# Allegro board WNS_FDM_2V1-1221P2.brd (continued)
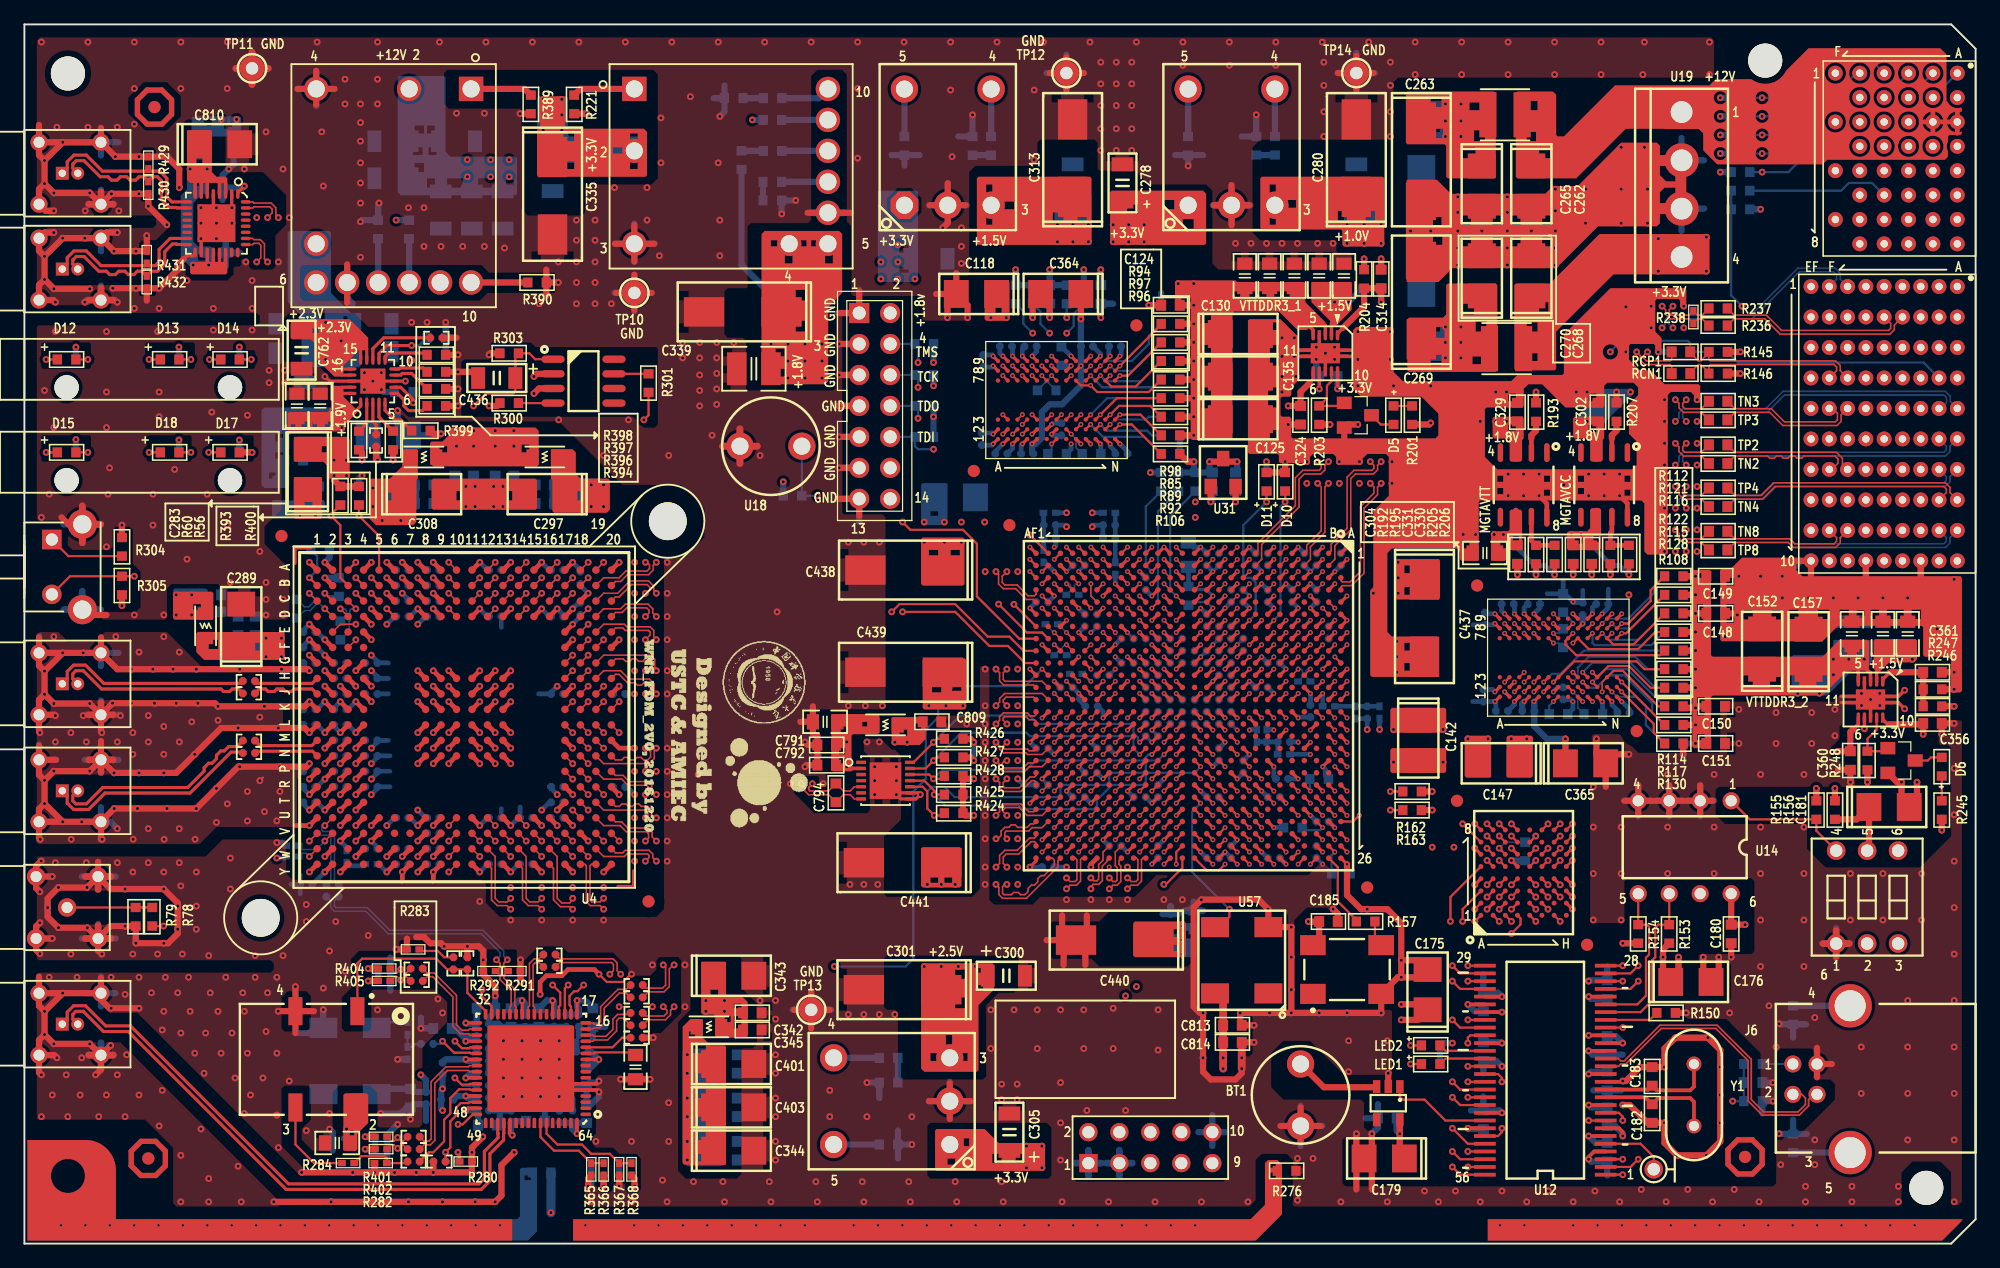
[diagram p0: board, top side]
## Routing (per net, layer and track width the routed paths; a pad name or vN(x,y) marks a point on that pad's centre or on a via; arc(x,y) is an arc through that point) (continued)
DDR3_2_DQ4: length 27.5
  TOP w0.178: U11.E3 v1(123.78,46.06) ; U15.A10 v1(107.45,48.12)
  ART10 w0.119: v1(123.78,46.06) 123.38,45.66 122.75,45.66 122.57,45.48 122.57,45.07 122.35,44.85 121.68,44.85 119.38,42.55 117.98,42.55 117.06,41.62 107.22,41.62 105.97,42.88 105.97,43.86 106.93,44.83 106.93,47.6 v1(107.45,48.12)
DDR3_2_DQ5: length 27.5
  TOP w0.178: U15.A12 v1(108.45,46.12) ; U11.E8 v1(123.78,50.86)
  ART10 w0.119: v1(108.45,46.12) 108.56,46.23 109.21,46.23 109.35,46.37 109.35,46.72 109.49,46.86 109.69,46.86 109.83,46.72 109.83,46.37 109.97,46.23 110.27,46.23 110.41,46.37 110.41,46.72 110.55,46.86 110.74,46.86 110.88,46.72 110.88,46.37 111.02,46.23 111.22,46.23 111.36,46.37 111.36,46.72 111.5,46.86 111.7,46.86 111.84,46.72 111.84,46.37 111.98,46.23 113.56,46.23 113.68,46.35 113.68,46.57 113.57,46.67 113.28,46.67 113.16,46.8 113.16,46.99 113.28,47.12 113.54,47.12 113.67,47.24 113.67,47.62 113.92,47.88 114.55,47.88 114.81,48.13 115.06,48.13 115.32,47.88 115.57,47.88 115.7,48.01 115.7,48.64 115.57,48.77 115.06,48.77 114.94,48.9 114.94,49.15 115.06,49.28 115.57,49.28 115.7,49.4 115.7,51.31 115.82,51.44 119.51,51.44 119.63,51.31 119.63,50.55 119.73,50.45 123.38,50.45 v1(123.78,50.86)
DDR3_2_DQ6: length 27.5
  TOP w0.178: U11.D2 v1(122.98,45.26) ; U15.B10 v1(106.45,47.12)
  ART10 w0.119: v1(122.98,45.26) 122.98,45.06 122.58,44.66 122.58,44.22 120.4,42.04 118.11,42.04 117.22,41.15 111.38,41.15 110.87,40.64 110.62,40.64 110.48,40.78 110.48,41.01 110.34,41.15 110.15,41.15 110.01,41.01 110.01,40.78 109.87,40.64 107.31,40.64 106.43,41.53 106.43,41.91 105.54,42.8 105.54,44.45 105.96,44.87 105.96,46.39 106.45,46.89 v1(106.45,47.12)
DDR3_2_DQ7: length 27.5
  TOP w0.178: U11.E7 v1(123.78,50.06) ; U15.B11 v1(107.45,47.12)
  ART10 w0.119: v1(123.78,50.06) 124.18,50.46 124.18,51.91 123.89,52.2 114.68,52.2 114.55,52.07 114.55,50.04 114.15,49.63 114.15,48.91 114.01,48.77 113.81,48.77 113.67,48.91 113.67,49.39 113.53,49.53 113.28,49.53 113.16,49.4 113.16,48.89 113.04,48.77 112.01,48.77 111.89,48.9 111.89,49.4 111.76,49.53 111.51,49.53 111.37,49.39 111.37,48.91 111.23,48.77 111.04,48.77 110.9,48.91 110.9,49.39 110.76,49.53 110.11,49.53 108.97,48.39 108.97,47.88 108.71,47.62 107.96,47.62 v1(107.45,47.12)
DDR3_2_DQSN: length 27.5
  TOP w0.102: U11.D3 v1(122.98,46.06)
  TOP w0.124: U15.A14 v1(108.45,43.12)
  ART10 w0.109: v1(108.45,43.12) 108.05,43.12 107.94,43.23 107.94,43.5 108.97,44.52 115.13,44.52 116.33,45.72 116.63,45.72 117.07,45.28 117.54,45.28 118.04,45.77 118.04,46.25 117.58,46.71 117.58,46.96 117.8,47.19 118.04,47.19 118.49,46.74 119.06,46.74 119.38,47.06 119.38,48.45 119.51,48.58 120.01,48.58 120.14,48.45 120.14,47.06 120.5,46.7 121.12,46.7 121.41,46.99 121.41,48.45 121.54,48.58 121.98,48.58 122.12,48.45 122.12,46.79 122.55,46.36 122.87,46.36 122.98,46.25 v1(122.98,46.06)
DDR3_2_DQSP: length 27.5
  TOP w0.124: U15.B14 v1(107.45,43.12)
  TOP w0.127: v1(122.98,46.86) 122.58,46.46 U11.C3
  ART10 w0.109: v1(122.98,46.86) 122.8,46.67 122.68,46.67 122.43,46.92 122.43,48.57 122.11,48.9 121.41,48.9 121.1,48.58 121.1,47.12 120.99,47.01 120.63,47.01 120.45,47.19 120.45,48.58 120.14,48.9 119.38,48.9 119.07,48.58 119.07,47.19 118.93,47.05 118.62,47.05 118.17,47.5 117.67,47.5 117.26,47.09 117.26,46.58 117.72,46.12 117.72,45.9 117.41,45.59 117.2,45.59 116.76,46.03 116.2,46.03 115,44.83 108.84,44.83 107.63,43.62 107.63,43.3 v1(107.45,43.12)
DDR3_2_ODT: length 39.2
  TOP w0.178: U15.F14 v1(103.45,43.12) ; v1(125.38,44.46) U11.G1
  ART08 w0.119: v1(103.45,43.12) 103.45,42.85 104.72,41.59 108.65,41.59 109.98,40.26 117.22,40.26 117.47,40.51 117.47,42.8 117.6,42.93 117.86,42.93 117.98,42.81 117.98,42.16 118.11,42.04 118.37,42.04 118.49,42.16 118.49,43.82 118.61,43.94 118.86,43.94 119,43.8 119,42.18 119.14,42.04 119.33,42.04 119.47,42.18 119.47,43.8 119.61,43.94 119.81,43.94 119.95,43.8 119.95,42.18 120.09,42.04 120.29,42.04 120.43,42.18 120.43,43.8 120.57,43.94 120.82,43.94 120.96,43.8 120.96,43.55 121.07,43.43 121.29,43.43 121.43,43.57 121.43,43.8 121.57,43.94 123.25,43.94 123.38,44.07 123.38,44.7 123.52,44.85 124.32,44.85 124.71,44.46 v1(125.38,44.46)
  BOTTOM w0.178: R125.2 125.03,44.11 v1(125.38,44.46)
DDR3_2_RASN: length 48.9
  TOP w0.178: U15.E10 v1(104.45,48.12) ; U11.F3 v1(124.58,46.06)
  ART03 w0.119: v1(124.58,46.06) 124.18,45.66 120.52,45.66 120.4,45.78 120.4,46.09 120.28,46.21 119.88,46.21 119.76,46.09 119.76,45.2 119.64,45.09 119.43,45.09 119.31,45.2 119.31,46.11 119.2,46.23 118.96,46.23 118.84,46.11 118.84,45.2 118.72,45.09 118.48,45.09 118.36,45.2 118.36,46.11 118.24,46.23 118,46.23 117.88,46.11 117.88,45.2 117.76,45.09 117.52,45.09 117.4,45.2 117.4,46.11 117.29,46.23 117.05,46.23 116.93,46.11 116.93,45.2 116.81,45.09 116.57,45.09 116.45,45.2 116.45,46.11 116.33,46.23 116.09,46.23 115.97,46.11 115.97,45.2 115.85,45.09 115.61,45.09 115.49,45.2 115.49,46.11 115.38,46.23 115.14,46.23 115.02,46.11 115.02,45.2 114.9,45.09 114.66,45.09 114.54,45.2 114.54,46.11 114.42,46.23 114.18,46.23 114.06,46.11 114.06,45.71 113.94,45.59 113.7,45.59 113.58,45.71 113.58,46.11 113.46,46.23 113.23,46.23 113.11,46.11 113.11,45.71 112.99,45.59 112.75,45.59 112.63,45.71 112.63,46.11 112.51,46.23 112.27,46.23 112.15,46.11 112.15,45.73 112.01,45.59 106.3,45.59 104.95,46.94 104.95,47.62 v1(104.45,48.12)
  BOTTOM w0.178: R127.2 127.89,48.64 125.98,46.74 125.26,46.74 v1(124.58,46.06)
DDR3_2_RESETN: length 43.7
  TOP w0.178: R130.2 133.6,41.91 133.6,42.63 v1(130.98,45.26) U11.N2 ; U15.C12 v1(106.45,46.12)
  ART03 w0.119: v1(130.98,45.26) 131.44,45.72 131.44,46.35 131.19,46.61 129.92,46.61 128.97,45.66 126.17,45.66 125.98,45.85 125.98,46.42 125.79,46.61 124.08,46.61 123.32,47.37 122.55,47.37 122.43,47.25 122.43,46.73 122.31,46.61 113.28,46.61 113.16,46.73 113.16,47.37 113.03,47.5 111.74,47.5 111.6,47.36 111.6,46.11 111.46,45.97 111.27,45.97 111.13,46.11 111.13,47.36 110.99,47.5 110.74,47.5 110.62,47.38 110.62,46.1 110.49,45.97 110.24,45.97 110.11,46.1 110.11,47.37 109.98,47.5 109.72,47.5 109.6,47.38 109.6,46.1 109.47,45.97 109.22,45.97 109.09,46.1 109.09,46.5 108.97,46.62 106.96,46.62 v1(106.45,46.12)
DDR3_2_WEN: length 47.1
  TOP w0.178: U15.F13 v1(103.45,45.12) ; v1(126.98,46.06) U11.H3
  ART10 w0.119: v1(126.98,46.06) 127.38,45.66 127.38,43.81 122.81,39.24 120.53,39.24 120.39,39.1 120.39,38.87 120.25,38.73 120.05,38.73 119.91,38.87 119.91,39.1 119.77,39.24 119.58,39.24 119.44,39.1 119.44,38.87 119.3,38.73 119.1,38.73 118.96,38.87 118.96,39.1 118.82,39.24 118.62,39.24 118.48,39.1 118.48,38.87 118.34,38.73 118.14,38.73 118,38.87 118,39.1 117.86,39.24 117.22,39.24 116.59,38.61 110.11,38.61 109.73,38.23 105.92,38.23 102.95,41.19 U15.F13 v1(103.45,45.12)
  BOTTOM w0.127: 127.38,46.99 127.38,46.46 v1(126.98,46.06)
  BOTTOM w0.178: 127.38,46.99 127.38,47.24 128.27,48.13 132.08,48.13 133.1,47.12 R129.2
DI_N0: length 72.7
  TOP w0.124: U15.AD18 v1(84.45,39.12) ; U4.C17 v2(44.96,53.34)
  ART03 w0.102: 84.1,38.78 84.12,38.78 84.18,38.72 84.86,38.72 84.98,38.84 84.98,39.04 84.9,39.12 v1(84.45,39.12)
  ART03 w0.109: 84.1,38.78 83.97,38.78 83.74,39.01 83.74,39.3 83.5,39.53 83.22,39.53 82.98,39.76 82.98,40.05 82.75,40.28 82.47,40.28 82.17,40.57 77.35,40.57 75.24,42.67 63.5,42.67 60.64,39.81 60.25,39.81 60.03,40.03 60.03,41.51 59.63,41.91 59.06,41.91 58.66,41.51 58.66,40.03 58.44,39.81 58.13,39.81 57.92,40.03 57.92,41.51 57.52,41.91 56.95,41.91 56.55,41.51 56.55,40.03 56.33,39.81 55.96,39.81 55.74,40.03 55.74,40.7 55.34,41.1 54.78,41.1 54.37,40.7 54.37,40.03 54.16,39.81 47.37,39.81 47.02,40.16 43.91,40.16 43.18,40.89 43.18,49.78 44.48,51.08 44.48,53.59 44.7,53.82 45.54,53.82 45.65,53.71 45.65,53.11 45.54,53 45.3,53 v2(44.96,53.34)
DI_N1: length 72.5
  TOP w0.124: U4.B20 48.47,54.31 48.89,54.31 49.45,54.86 51.18,54.86 51.56,55.25 51.56,55.62 v2(51.82,55.88) ; U15.V17 v1(90.45,40.12)
  ART08 w0.102: v1(90.45,40.12) 90.72,40.39 90.83,40.39 91.05,40.61 91.05,44.58 89.91,45.72 84.2,45.72 83.05,46.87 83.05,47.41 82.72,47.75 82.72,47.82 82.7,47.84
  ART08 w0.109: v2(51.82,55.88) 51.62,55.68 51.62,55.18 51.25,54.81 49.84,54.81 49.25,55.4 49.25,56.23 48.2,57.27 48.2,61.66 50.35,63.81 56.58,63.81 69.22,51.18 75.06,51.18 77.98,48.26 82.28,48.26 82.7,47.84
DI_N2: length 72.4
  TOP w0.124: U15.AB15 v1(86.45,42.12) ; U4.C20 48.47,53.04 48.77,53.04 49.78,54.05 51.06,54.05 51.3,53.81 51.3,53.59 51.05,53.34 v2(50.93,53.34)
  ART10 w0.102: v1(86.45,42.12) 86.45,42.57 86.55,42.67 86.83,42.67 87.05,42.89 87.05,43.66 86.05,44.66 86.05,45.39 85.72,45.72 84.2,45.72 83.05,46.87 83.05,47.5 82.6,47.96 82.15,47.96 82.09,48.01 82.07,48.01
  ART10 w0.109: v2(50.93,53.34) 51.05,53.34 51.31,53.59 51.31,54.54 51.69,54.92 52.76,54.92 54.61,56.77 55.12,56.77 55.57,56.32 56,56.32 56.2,56.52 56.2,56.77 55.69,57.27 55.69,57.91 56.08,58.29 56.08,59.4 56.37,59.69 57.15,59.69 57.47,59.37 57.47,56.54 57.69,56.32 62.35,56.32 62.55,56.52 62.55,56.89 62.35,57.09 58.61,57.09 58.22,57.48 58.22,59.29 58.62,59.69 59.18,59.69 59.56,59.31 59.56,58.48 59.69,58.35 59.82,58.35 60.24,58.35 60.35,58.46 60.35,58.82 60.64,59.11 61.74,59.11 62.03,58.82 62.03,58.46 62.14,58.35 63.06,58.35 66.29,55.12 69.98,55.12 73.86,51.24 74.93,51.24 78.16,48.01 82.07,48.01
DI_N3: length 72.6
  TOP w0.124: U4.E18 v2(46.23,50.8) ; U15.W19 v1(89.45,38.12)
  ART08 w0.102: v1(89.45,38.12) 89.45,38.51 89.35,38.61 89.07,38.61 88.85,38.83 88.85,43.33 88.8,43.38 88.8,43.48
  ART08 w0.109: v2(46.23,50.8) 46.23,51.2 46.34,51.31 46.82,51.31 47.12,51.6 47.12,52.96 48.01,53.85 48.39,53.85 49.15,53.09 49.15,52.83 49.78,52.2 53.02,52.2 53.65,52.83 53.65,54.29 54.48,55.12 54.48,57.28 55.5,58.29 56.01,58.29 56.52,57.78 57.08,57.78 57.46,58.16 57.46,58.74 55.69,60.51 54.99,60.51 54.86,60.64 54.86,61.09 54.99,61.21 56.07,61.21 68.96,48.33 74.73,48.33 77.6,45.47 81.98,45.47 83.78,43.67 88.69,43.67 88.8,43.56 88.8,43.48
DI_N4: length 72.7
  TOP w0.124: v2(50.93,51.44) 51.22,51.73 51.22,51.94 51.02,52.15 49.4,52.15 49.02,51.77 48.47,51.77 U4.D20 ; U15.W14 v1(89.45,43.12)
  ART03 w0.102: 84.1,45.46 84.12,45.46 84.18,45.52 85.67,45.52 85.85,45.34 85.85,44.29 86.2,43.94 86.6,43.94 86.81,43.74 87.13,43.74 87.34,43.94 87.67,43.94 87.87,43.74 88.2,43.74 88.4,43.94 88.73,43.94 88.93,43.74 89.26,43.74 89.46,43.94 89.79,43.94 89.98,43.75 89.98,43.22 89.88,43.12 v1(89.45,43.12)
  ART03 w0.109: 84.1,45.46 82.95,45.46 82.29,46.13 81.96,46.13 81.76,45.92 81.43,45.92 81.22,46.13 80.9,46.13 80.69,45.92 80.37,45.92 80.16,46.13 79.83,46.13 79.63,45.92 79.3,45.92 79.1,46.13 78.77,46.13 78.57,45.92 78.24,45.92 78.04,46.13 77.38,46.13 74.26,49.25 73.36,49.25 73.14,49.03 73.14,48.41 72.74,48.01 72.17,48.01 71.77,48.41 71.77,49.03 71.55,49.25 71.24,49.25 71.02,49.03 71.02,48.41 70.62,48.01 70.06,48.01 69.66,48.41 69.66,49.03 69.44,49.25 69.13,49.25 68.91,49.03 68.91,48.41 68.51,48.01 67.94,48.01 67.54,48.41 67.54,49.03 67.32,49.25 67.02,49.25 66.8,49.03 66.8,48.41 66.4,48.01 65.83,48.01 65.43,48.41 65.43,49.03 65.21,49.25 64.9,49.25 64.68,49.03 64.68,48.41 64.28,48.01 63.72,48.01 63.32,48.41 63.32,49.03 63.1,49.25 62.79,49.25 62.57,49.03 62.57,48.41 62.17,48.01 61.6,48.01 61.2,48.41 61.2,49.03 60.98,49.25 60.68,49.25 60.46,49.03 60.46,48.41 60.06,48.01 59.49,48.01 59.09,48.41 59.09,50.56 58.87,50.77 58.56,50.77 58.35,50.56 58.35,48.41 57.94,48.01 57.38,48.01 56.98,48.41 56.98,50.56 56.76,50.77 56.45,50.77 56.23,50.56 56.23,48.41 55.83,48.01 55.26,48.01 54.86,48.41 54.86,49.98 54.61,50.23 51.75,50.23 51.31,50.67 51.31,51.05 v2(50.93,51.44)
DI_N5: length 72.7
  TOP w0.124: U15.AE15 v1(83.45,42.12) ; U4.E20 48.47,50.5 49.07,50.5 49.28,50.29 51.18,50.29 51.31,50.17 51.31,49.91 v2(50.93,49.53)
  ART10 w0.102: v1(83.45,42.12) 83.9,42.12 84,42.22 84,42.42 83.9,42.52 83.16,42.52 83.11,42.46 83.08,42.46
  ART10 w0.109: 83.08,42.46 82.76,42.46 82.24,42.98 82.24,44.19 81.72,44.71 77.28,44.71 73.73,48.26 70.49,48.26 68.39,50.35 68.39,51.9 68.29,52.01 67.9,52.01 67.79,51.9 67.79,50.52 67.44,50.16 64.96,50.16 64.67,50.46 64.67,51.07 64.96,51.37 66.23,51.37 66.42,51.56 66.42,51.88 66.29,52.01 63.28,52.01 62.87,52.43 62.87,52.96 62.74,53.09 62.36,53.09 61.72,52.45 61.13,52.45 60.83,52.74 60.83,53.09 60.64,53.28 60.2,53.28 59.98,53.06 59.98,50.69 59.58,50.29 59.01,50.29 58.61,50.69 58.61,53.06 58.39,53.28 58.08,53.28 57.86,53.06 57.86,49.04 57.46,48.64 56.9,48.64 56.5,49.04 56.5,49.88 56.29,50.08 56.29,50.41 56.5,50.61 56.5,50.94 56.29,51.14 56.29,51.47 56.5,51.67 56.5,52 56.29,52.21 56.29,52.53 56.5,52.74 56.5,53.06 56.28,53.28 55.63,53.28 55.43,53.08 55.43,52.2 55.63,52 55.63,51.67 55.43,51.47 55.43,51.14 55.63,50.94 55.63,50.61 55.43,50.41 55.43,50.08 55.63,49.88 55.63,49.55 55.43,49.35 55.43,49.02 55.05,48.64 54.61,48.64 54.1,49.15 53.72,49.15 53.22,48.64 52.66,48.64 52.46,48.44 52.13,48.44 51.93,48.64 51.6,48.64 51.31,48.93 51.31,49.29 51.07,49.53 v2(50.93,49.53)
DI_N6: length 72.4
  TOP w0.124: 46.86,48.9 v2(47.5,49.53) ; U15.Y18 v1(88.45,39.12)
  ART08 w0.102: 82.67,43.41 82.67,43.38 82.73,43.33 82.73,42.84 83.05,42.52 84.7,42.52 84.85,42.37 84.85,40.75 85.08,40.52 87.66,40.52 87.85,40.32 87.85,39.84 88.07,39.62 88.35,39.62 88.45,39.52 v1(88.45,39.12)
  ART08 w0.109: v2(47.5,49.53) 46.93,49.53 46.82,49.64 46.82,50.06 46.93,50.16 47.59,50.16 47.88,50.46 47.88,52.45 48.06,52.63 48.27,52.63 48.46,52.45 48.46,50.54 48.89,50.11 49.48,50.11 49.99,50.61 50.26,50.61 50.77,50.11 51.44,50.11 51.88,50.55 52.2,50.55 52.64,50.11 53.22,50.11 53.72,50.61 53.72,51.69 54.48,52.45 54.48,53.91 55.58,55.01 59.07,55.01 59.44,55.37 59.44,55.88 59.05,56.26 55.5,56.26 55.37,56.39 55.37,56.77 55.5,56.9 57.4,56.9 58.11,57.6 58.42,57.6 68.58,47.44 74.35,47.44 77.09,44.7 81.73,44.7 82.67,43.76 82.67,43.41
DI_N7: length 72.6
  TOP w0.124: U15.AA18 v1(87.45,39.12) ; U4.G18 v2(46.23,48.26)
  ART08 w0.102: 82.8,41.5 82.8,41.48 82.85,41.42 82.85,40.34 83.67,39.52 86.89,39.52 87,39.62 87.35,39.62 87.45,39.52 v1(87.45,39.12)
  ART08 w0.109: v2(46.23,48.26) 45.66,48.26 45.55,48.37 45.55,48.63 45.66,48.74 46.64,48.74 46.86,48.51 46.86,47.88 47.24,47.5 47.82,47.5 48.22,47.9 48.22,48.41 48.39,48.58 48.77,48.58 48.96,48.39 48.96,48.01 49.34,47.62 49.97,47.62 50.35,48 50.35,48.47 50.46,48.58 50.92,48.58 51.07,48.43 51.07,48.15 51.47,47.75 52.2,47.75 54.61,50.16 54.61,51.31 54.81,51.5 60.58,51.5 60.96,51.88 60.96,52.41 60.56,52.81 55.58,52.81 55.37,53.02 55.37,53.59 55.88,54.1 56.27,54.1 56.49,53.88 56.49,53.74 56.89,53.34 57.46,53.34 57.86,53.74 57.86,53.88 58.08,54.1 58.39,54.1 58.61,53.88 58.61,53.74 59.01,53.34 59.57,53.34 59.98,53.74 59.98,53.88 60.19,54.1 60.58,54.1 68.13,46.55 73.91,46.55 76.11,44.35 76.11,43.65 76.55,43.21 81.69,43.21 82.04,42.87 82.04,42.36 82.8,41.6 82.8,41.5
DI_N8: length 72.5
  TOP w0.124: U15.AF15 82.95,42.84 82.83,42.97 82.38,42.97 82.13,43.22 80.39,43.22 80.27,43.09 80.27,42.92 v2(80.56,42.62) ; U4.G20 48.47,47.96 49.11,47.96 49.31,47.76 49.64,47.76 49.84,47.96 50.17,47.96 50.37,47.76 50.7,47.76 50.9,47.96 51.23,47.96 51.39,47.8 51.39,47.32 51.05,46.99 v2(50.93,46.99)
  ART10 w0.109: v2(80.56,42.62) 80.44,42.62 80.14,42.93 80.14,43.2 79.84,43.49 76.65,43.49 76.42,43.72 76.42,44.48 76.19,44.71 76.19,45 75.96,45.23 75.67,45.23 75.44,45.46 75.44,45.75 75.21,45.98 74.92,45.98 74.69,46.21 74.69,46.5 74.46,46.73 74.17,46.73 73.15,47.75 72.52,47.75 72.14,47.37 72.14,46.86 72.59,46.41 72.59,46.14 72.48,46.03 71.7,46.03 71.51,46.22 71.51,47.43 71.12,47.81 69.92,47.81 68.2,49.53 64.29,49.53 64.07,49.75 64.07,51.14 63.78,51.44 63,51.44 62.7,51.14 62.7,49.75 62.49,49.53 62.1,49.53 61.89,49.75 61.89,50.95 61.53,51.31 60.83,51.31 60.52,50.99 60.52,49.75 60.3,49.53 58.8,49.53 58.49,49.22 58.49,48.64 58.8,48.33 67.69,48.33 67.86,48.16 67.86,47.92 67.69,47.75 58.35,47.75 58.17,47.94 51.6,47.94 51.31,47.65 51.31,47.24 51.05,46.99 v2(50.93,46.99)
DI_N9: length 72.5
  TOP w0.124: U15.AF17 82.76,40.42 82.39,40.42 82.25,40.56 80.39,40.56 80.27,40.69 80.27,40.82 v2(80.56,41.12) ; U4.H18 v2(46.23,46.99)
  ART08 w0.109: v2(80.56,41.12) 80.42,41.12 80.2,41.34 80.2,41.6 79.81,41.99 76.76,41.99 75.69,43.05 74.23,43.05 73.53,43.75 73.53,45.59 73.15,45.97 72.58,45.97 72.2,45.6 72.2,44.58 72.01,44.38 71.7,44.38 71.5,44.58 71.5,45.59 71.12,45.97 70.49,45.97 70.09,45.58 70.09,45.36 69.88,45.14 69.57,45.14 69.35,45.36 69.35,45.57 68.95,45.97 67.37,45.97 62.49,50.86 55.81,50.86 55.44,50.49 55.44,49.97 55.81,49.6 61.91,49.6 62.08,49.42 62.08,49.13 61.91,48.95 55.94,48.95 55.57,48.58 55.57,47.41 55.46,47.3 55.1,47.3 54.99,47.41 54.99,48.45 54.54,48.9 54.04,48.9 53.15,48.01 53.15,47.37 54.48,46.04 54.48,45.78 54.23,45.52 53.66,45.52 53.03,46.16 52.1,46.16 51.9,46.36 51.57,46.36 51.37,46.16 51.04,46.16 50.84,46.36 50.51,46.36 50.31,46.16 49.98,46.16 49.34,46.79 49.02,46.79 48.81,47 48.49,47 48.28,46.79 47.96,46.79 47.75,47 47.42,47 47.22,46.79 46.86,46.79 46.58,46.51 45.66,46.51 45.55,46.62 45.55,47.13 45.66,47.24 45.97,47.24 v2(46.23,46.99)
DI_N10: length 73
  TOP w0.124: U15.AA20 v1(87.45,37.12) ; v2(50.93,45.09) 51.05,45.09 51.33,45.36 51.33,45.8 51.13,46 50.8,46 50.6,45.8 50.27,45.8 50.07,46 49.45,46 48.76,46.69 48.47,46.69 U4.H20
  ART10 w0.102: v1(87.45,37.12) 87.67,37.12 87.76,37.21 87.76,37.59 87.68,37.67 87.07,37.67 86.85,37.89 86.85,38.34 86.67,38.52 84.18,38.52 84.12,38.46 84.1,38.46
  ART10 w0.109: v2(50.93,45.09) 51.05,45.09 51.31,44.83 51.31,44.49 51.6,44.2 53.27,44.2 53.78,44.7 53.78,45.46 53.98,45.66 54.29,45.66 54.51,45.44 54.51,44.6 54.91,44.2 55.48,44.2 55.88,44.6 55.88,45.44 56.09,45.66 56.4,45.66 56.62,45.44 56.62,44.6 57.02,44.2 57.59,44.2 57.99,44.6 57.99,45.44 58.21,45.66 58.52,45.66 58.73,45.44 58.73,43.45 59.14,43.05 59.7,43.05 60.1,43.45 60.1,45.44 60.32,45.66 60.63,45.66 60.85,45.44 60.85,43.45 61.25,43.05 61.82,43.05 62.22,43.45 62.22,45.44 62.43,45.66 62.74,45.66 62.96,45.44 62.96,43.45 63.36,43.05 63.93,43.05 64.33,43.45 64.33,45.44 64.55,45.66 64.86,45.66 65.08,45.44 65.08,44.47 65.48,44.07 66.05,44.07 66.45,44.47 66.45,45.44 66.67,45.66 67.02,45.66 67.24,45.44 67.24,45.1 67.64,44.7 68.21,44.7 68.61,45.1 68.61,45.44 68.83,45.66 69.09,45.66 69.51,45.24 69.51,43.29 69.8,42.99 71.19,42.99 71.56,43.37 71.56,43.75 71.73,43.92 72.16,43.92 72.33,43.75 72.33,43.29 72.62,42.99 73.78,42.99 75.53,41.24 76.57,40.21 83.3,40.21 83.51,40 83.51,38.76 83.8,38.46 84.1,38.46
DI_N11: length 72.6
  TOP w0.124: U4.J19 v2(47.5,45.72) ; U15.AF18 82.76,39.42 82.3,39.42 81.89,39.01 80.32,39.01 80.2,39.14 80.2,39.43 80.39,39.62 v2(80.56,39.62)
  ART08 w0.109: v2(80.56,39.62) 80.33,39.62 80.2,39.75 80.2,40.2 79.84,40.55 76.67,40.55 75.18,42.04 73.91,42.04 72.64,43.31 68.53,43.31 68.42,43.42 68.42,44.54 67.95,45.02 67,45.02 64.01,48.01 56.77,48.01 56.47,47.7 56.47,47.1 56.84,46.74 63.5,46.74 64.2,46.03 64.2,44.83 63.88,44.51 63.7,44.51 63.49,44.73 63.49,45.7 63.09,46.1 62.52,46.1 62.12,45.7 62.12,44.73 61.9,44.51 61.59,44.51 61.37,44.73 61.37,45.7 60.97,46.1 60.4,46.1 60,45.7 60,44.73 59.79,44.51 59.47,44.51 59.26,44.73 59.26,45.7 58.85,46.1 58.29,46.1 57.89,45.7 57.89,44.73 57.67,44.51 57.35,44.51 57.15,44.7 57.15,45.65 56.79,46.01 56.24,46.01 55.88,45.65 55.88,44.64 55.75,44.51 54.72,44.51 54.52,44.71 54.19,44.71 53.99,44.51 53.66,44.51 53.46,44.71 53.13,44.71 52.93,44.51 49.85,44.51 49.12,45.24 46.9,45.24 46.79,45.35 46.79,45.77 46.96,45.94 47.28,45.94 v2(47.5,45.72)
DI_P0: length 72.7
  TOP w0.124: U4.B18 v2(46.23,54.61) ; U15.AC18 v1(85.45,39.12)
  ART03 w0.102: 84.1,38.46 84.12,38.46 84.18,38.52 84.95,38.52 85.18,38.75 85.18,39.02 85.28,39.12 v1(85.45,39.12)
  ART03 w0.109: v2(46.23,54.61) 45.75,54.13 44.57,54.13 44.17,53.72 44.17,51.21 42.87,49.91 42.87,40.76 43.78,39.85 46.89,39.85 47.24,39.5 54.29,39.5 54.69,39.9 54.69,40.57 54.9,40.78 55.21,40.78 55.43,40.57 55.43,39.9 55.83,39.5 56.46,39.5 56.86,39.9 56.86,41.38 57.08,41.6 57.39,41.6 57.6,41.38 57.6,39.9 58.01,39.5 58.57,39.5 58.97,39.9 58.97,41.38 59.19,41.6 59.5,41.6 59.72,41.38 59.72,39.9 60.12,39.5 60.76,39.5 63.63,42.36 75.12,42.36 77.22,40.26 82.04,40.26 83.84,38.46 84.1,38.46
DI_P1: length 72.6
  TOP w0.124: U4.B19 47.5,54.61 48.77,54.61 49.32,55.17 51.06,55.17 51.26,55.37 51.26,55.67 51.05,55.88 v2(50.93,55.88) ; U15.V16 v1(90.45,41.12)
  ART08 w0.102: v1(90.45,41.12) 90.45,40.69 90.55,40.59 90.75,40.59 90.85,40.69 90.85,44.5 89.83,45.52 84.12,45.52 82.85,46.78 82.85,47.32 82.57,47.6 82.49,47.6 82.48,47.62
  ART08 w0.109: 82.48,47.62 82.15,47.95 77.85,47.95 74.93,50.87 69.09,50.87 56.45,63.5 50.48,63.5 49.26,62.28 49.26,62 49.03,61.77 48.75,61.77 48.51,61.53 48.51,60.59 48.72,60.39 48.72,60.06 48.51,59.86 48.51,59.53 48.72,59.32 48.72,59 48.51,58.79 48.51,58.47 48.72,58.26 48.72,57.93 48.51,57.73 48.51,57.4 48.81,57.11 49.1,57.11 49.33,56.88 49.33,56.59 49.56,56.36 49.56,55.53 49.97,55.12 51.12,55.12 51.31,55.31 51.31,55.68 51.1,55.88 v2(50.93,55.88)
DI_P2: length 72.5
  TOP w0.124: U15.AB14 v1(86.45,43.12) ; v2(51.82,53.34) 51.6,53.56 51.6,53.93 51.18,54.36 49.66,54.36 48.64,53.34 47.5,53.34 U4.C19
  ART10 w0.102: 82.07,47.7 82.09,47.7 82.15,47.75 82.52,47.75 82.85,47.42 82.85,46.78 84.12,45.52 85.64,45.52 85.85,45.31 85.85,44.58 86.85,43.58 86.85,42.98 86.75,42.88 86.55,42.88 86.45,42.98 v1(86.45,43.12)
  ART10 w0.109: 82.07,47.7 78.03,47.7 74.8,50.93 73.73,50.93 69.85,54.81 66.16,54.81 62.93,58.04 62.01,58.04 61.72,58.33 61.72,58.69 61.61,58.8 60.77,58.8 60.66,58.69 60.66,58.33 60.37,58.04 60.24,58.04 59.56,58.04 59.25,58.35 59.25,59.18 59.05,59.38 58.75,59.38 58.53,59.16 58.53,57.61 58.73,57.4 62.48,57.4 62.87,57.02 62.87,56.39 62.48,56.01 57.56,56.01 57.16,56.41 57.16,59.24 57.02,59.38 56.5,59.38 56.39,59.27 56.39,58.16 56.01,57.78 56.01,57.4 56.52,56.9 56.52,56.39 56.13,56.01 55.44,56.01 54.99,56.46 54.74,56.46 52.89,54.61 51.82,54.61 51.62,54.41 51.62,53.54 v2(51.82,53.34)
DI_P3: length 72.5
  TOP w0.124: U15.W18 v1(89.45,39.12) ; U4.D18 v2(46.23,52.07)
  ART08 w0.102: v1(89.45,39.12) 89.45,38.91 89.35,38.81 89.16,38.81 89.05,38.91 89.05,43.33 89.11,43.38 89.11,43.41
  ART08 w0.109: v2(46.23,52.07) 46.23,51.73 46.34,51.62 46.7,51.62 46.8,51.73 46.8,53.09 47.88,54.16 48.52,54.16 49.46,53.22 49.46,52.96 49.91,52.51 52.89,52.51 53.34,52.96 53.34,54.42 54.17,55.25 54.17,57.41 55.37,58.61 56.14,58.61 56.64,58.1 56.95,58.1 57.15,58.29 57.15,58.61 55.57,60.2 54.86,60.2 54.55,60.51 54.55,61.22 54.86,61.53 56.2,61.53 69.09,48.64 74.86,48.64 77.73,45.78 82.11,45.78 83.91,43.98 88.82,43.98 89.11,43.69 89.11,43.41
DI_P4: length 72.8
  TOP w0.124: U4.D19 47.5,52.07 48.9,52.07 49.28,52.45 51.14,52.45 51.52,52.07 51.52,52.07 51.52,51.73 v2(51.82,51.44) ; U15.V14 v1(90.45,43.12)
  ART03 w0.102: 84.1,45.78 84.12,45.78 84.18,45.72 85.76,45.72 86.05,45.42 86.05,44.37 86.28,44.15 89.87,44.15 90.18,43.84 90.18,43.39 v1(90.45,43.12)
  ART03 w0.109: 84.1,45.78 83.08,45.78 82.42,46.44 77.51,46.44 74.39,49.56 73.23,49.56 72.83,49.16 72.83,48.54 72.61,48.32 72.3,48.32 72.08,48.54 72.08,49.16 71.68,49.56 71.11,49.56 70.71,49.16 70.71,48.54 70.49,48.32 70.19,48.32 69.97,48.54 69.97,49.16 69.57,49.56 69,49.56 68.6,49.16 68.6,48.54 68.38,48.32 68.07,48.32 67.85,48.54 67.85,49.16 67.45,49.56 66.89,49.56 66.49,49.16 66.49,48.54 66.27,48.32 65.96,48.32 65.74,48.54 65.74,49.16 65.34,49.56 64.77,49.56 64.37,49.16 64.37,48.54 64.15,48.32 63.85,48.32 63.63,48.54 63.63,49.16 63.23,49.56 62.66,49.56 62.26,49.16 62.26,48.54 62.04,48.32 61.73,48.32 61.52,48.54 61.52,49.16 61.11,49.56 60.55,49.56 60.15,49.16 60.15,48.54 59.93,48.32 59.62,48.32 59.4,48.54 59.4,50.69 59,51.09 58.43,51.09 58.03,50.69 58.03,48.54 57.81,48.32 57.51,48.32 57.29,48.54 57.29,50.69 56.89,51.09 56.32,51.09 55.92,50.69 55.92,48.54 55.7,48.32 55.39,48.32 55.18,48.54 55.18,50.11 54.74,50.55 51.88,50.55 51.62,50.8 51.62,51.24 v2(51.82,51.44)
DI_P5: length 72.6
  TOP w0.124: v2(51.82,49.53) 51.61,49.74 51.61,50.29 51.31,50.59 49.4,50.59 49.19,50.8 47.5,50.8 U4.E19 ; U15.AD15 v1(84.45,42.12)
  ART10 w0.102: 83.08,42.78 83.11,42.78 83.16,42.72 83.98,42.72 84.2,42.5 84.2,42.37 v1(84.45,42.12)
  ART10 w0.109: v2(51.82,49.53) 51.62,49.33 51.62,49.06 51.73,48.95 53.09,48.95 53.59,49.46 54.23,49.46 54.74,48.95 54.92,48.95 55.12,49.15 55.12,53.21 55.5,53.59 56.41,53.59 56.81,53.19 56.81,49.17 57.03,48.95 57.33,48.95 57.55,49.17 57.55,53.19 57.95,53.59 58.52,53.59 58.93,53.19 58.93,50.82 59.14,50.6 59.45,50.6 59.67,50.82 59.67,53.19 60.07,53.59 60.77,53.59 61.15,53.22 61.15,52.87 61.25,52.76 61.59,52.76 62.23,53.4 62.87,53.4 63.18,53.09 63.18,52.56 63.41,52.32 66.42,52.32 66.74,52.01 66.74,51.43 66.36,51.05 65.09,51.05 64.98,50.94 64.98,50.59 65.09,50.48 67.31,50.48 67.48,50.65 67.48,52.03 67.77,52.32 68.41,52.32 68.71,52.03 68.71,50.48 70.61,48.57 73.86,48.57 77.41,45.02 81.85,45.02 82.55,44.32 82.55,43.11 82.89,42.78 83.08,42.78
DI_P6: length 72.4
  TOP w0.124: 45.59,48.9 v2(46.23,49.53) ; U15.Y17 v1(88.45,40.12)
  ART08 w0.102: 82.99,43.41 82.99,43.38 82.93,43.33 82.93,42.93 83.14,42.72 84.79,42.72 85.05,42.45 85.05,40.84 85.17,40.72 87.74,40.72 88.05,40.41 88.05,39.93 88.16,39.83 88.35,39.83 88.45,39.93 v1(88.45,40.12)
  ART08 w0.109: 82.99,43.41 82.99,43.89 81.86,45.02 77.22,45.02 74.48,47.75 68.71,47.75 58.55,57.91 57.98,57.91 57.27,57.21 55.37,57.21 55.06,56.9 55.06,56.26 55.37,55.95 58.93,55.95 59.12,55.75 59.12,55.5 58.94,55.32 55.45,55.32 54.17,54.04 54.17,52.58 53.41,51.82 53.41,50.74 53.09,50.42 52.77,50.42 52.33,50.86 51.75,50.86 51.31,50.42 50.9,50.42 50.39,50.93 49.86,50.93 49.35,50.42 49.02,50.42 48.77,50.67 48.77,52.58 48.4,52.94 47.93,52.94 47.57,52.58 47.57,50.59 47.46,50.48 46.8,50.48 46.51,50.19 46.51,49.81 v2(46.23,49.53)
